# KiCad board ddr4-datacenter-tester.kicad_pcb (continued)
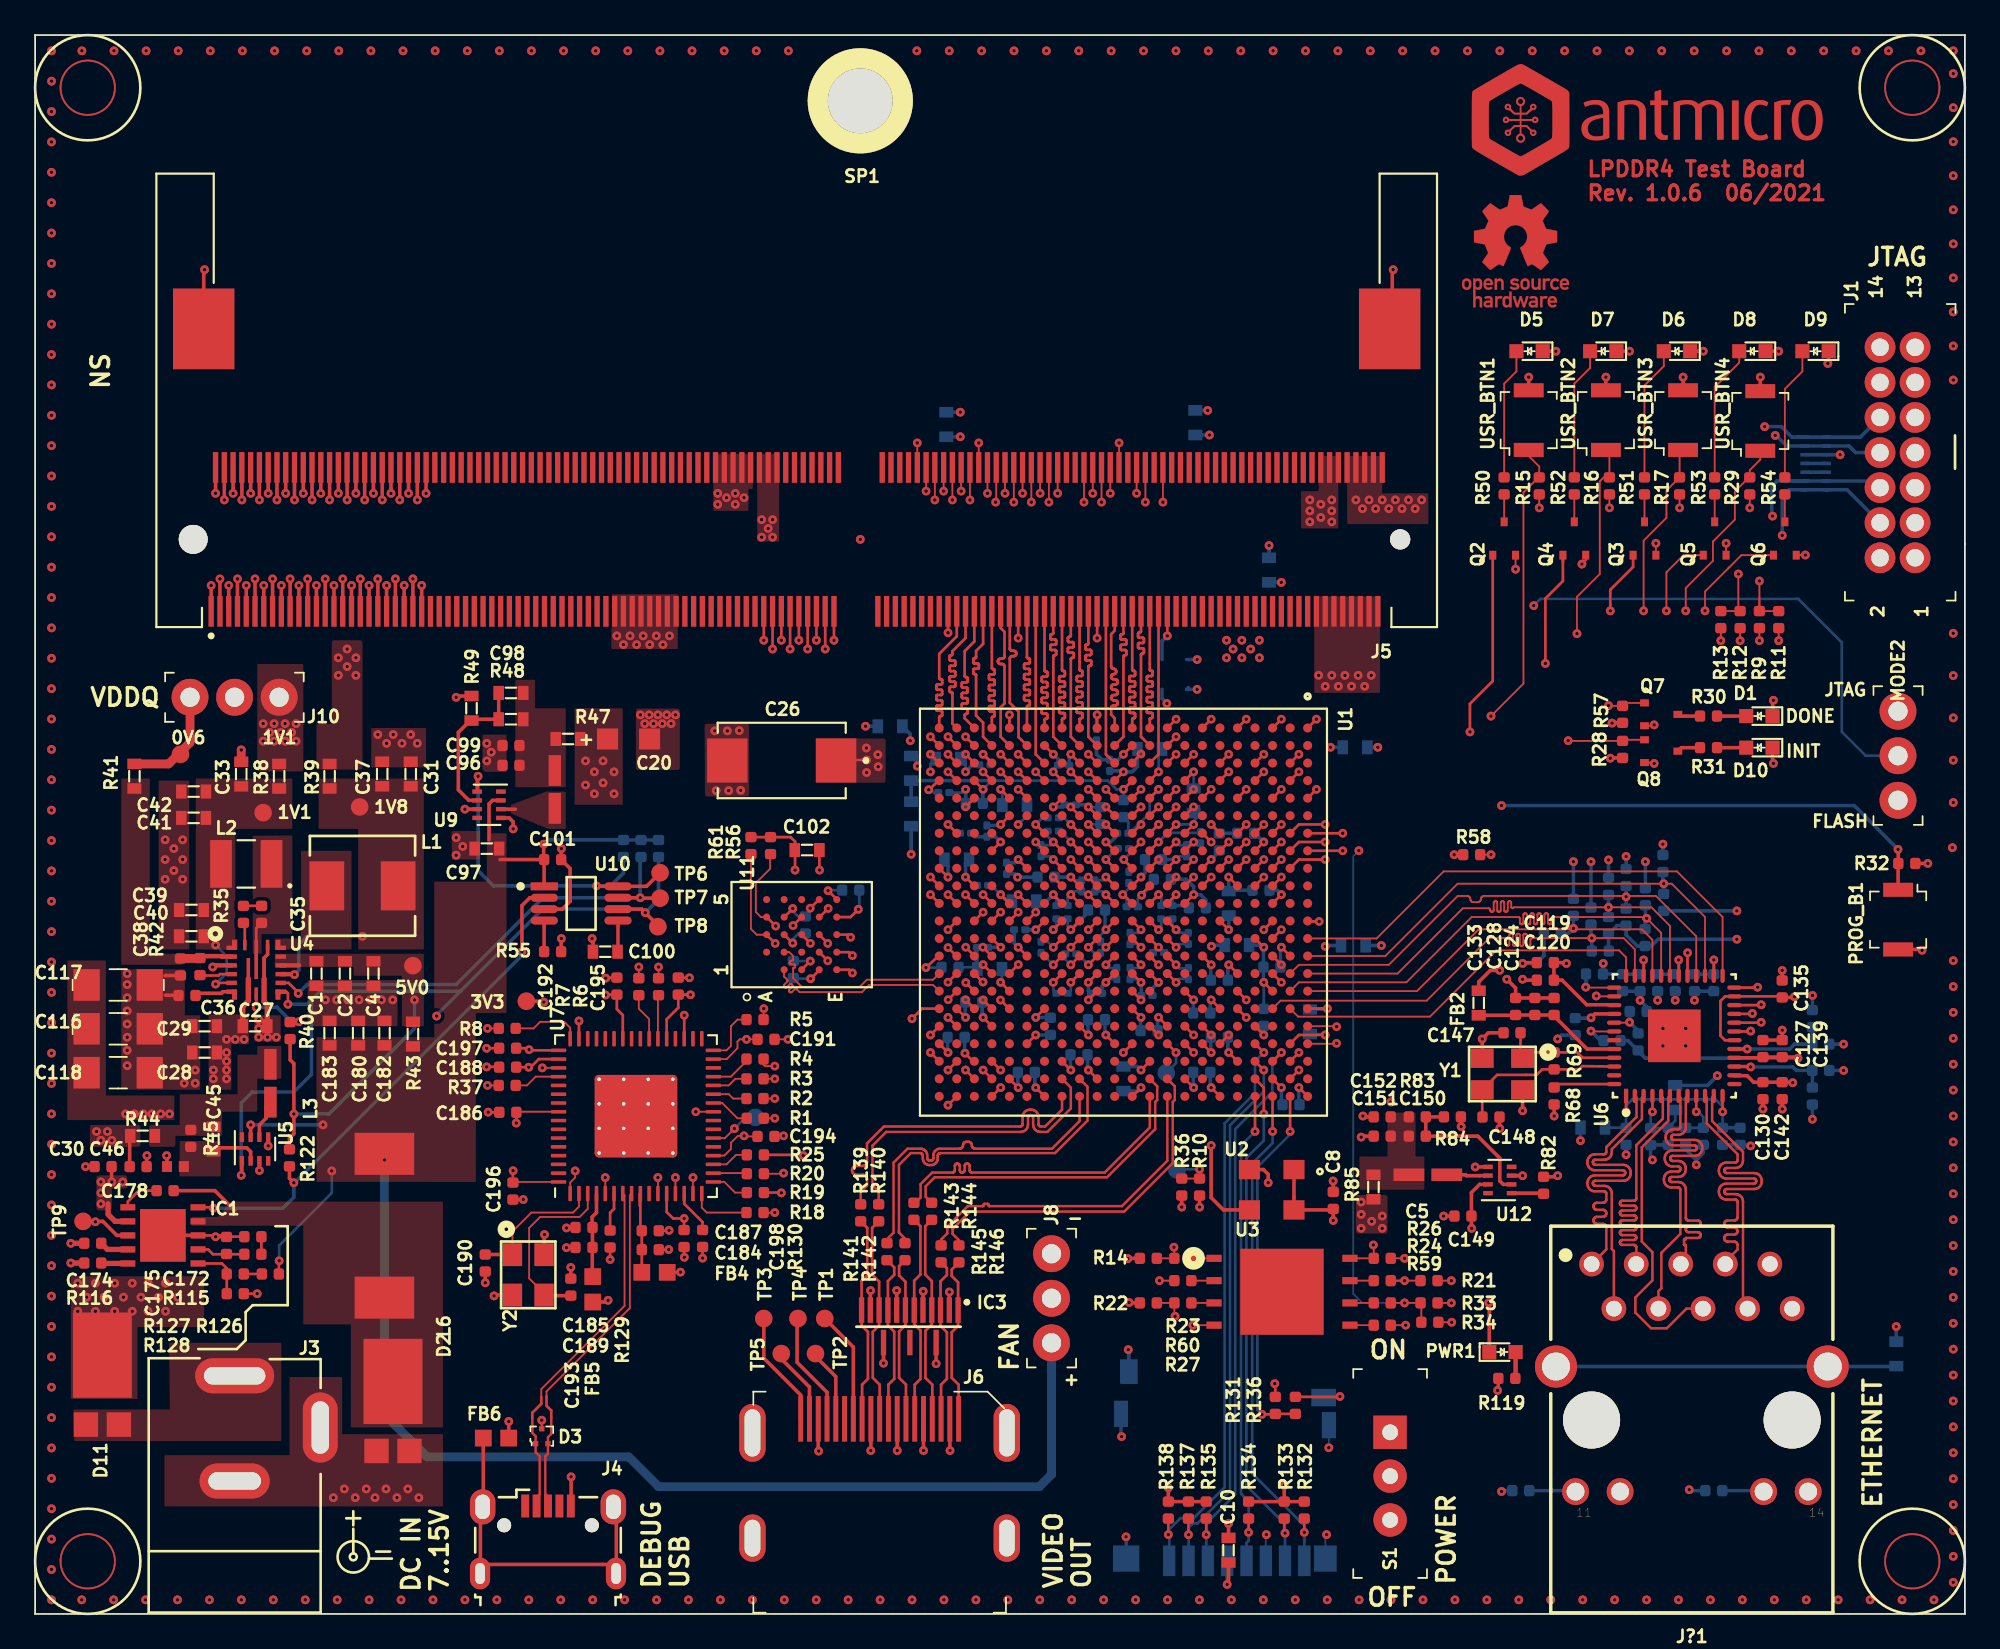
[diagram p0: board, top side]
## Routing (per net, layer and track width the routed paths; a pad name or vN(x,y) marks a point on that pad's centre or on a via; arc(x,y) is an arc through that point) (continued)
DQ08_A: length 8.9
  Top w0.15: U1.W2 54.04,50 54.04,50.81 53.64,51.21 53.64,53.5 53.63,53.51 53.63,53.53 53.62,53.55 53.61,53.56 53.59,53.57 53.57,53.57 53.54,53.58 53.52,53.58 53.51,53.59 53.49,53.61 53.48,53.62 53.48,53.64 53.48,53.66 53.48,53.8 53.48,53.81 53.48,53.83 53.49,53.85 53.51,53.86 53.52,53.87 53.54,53.87 53.56,53.88 53.72,53.88 53.73,53.88 53.75,53.88 53.77,53.89 53.78,53.91 53.79,53.92 53.79,53.94 53.8,53.96 53.8,54.1 53.79,54.11 53.79,54.13 53.78,54.15 53.77,54.16 53.75,54.17 53.73,54.17 53.72,54.18 53.64,54.18 53.64,54.18 53.56,54.18 53.54,54.18 53.52,54.19 53.51,54.2 53.49,54.21 53.48,54.23 53.48,54.24 53.48,54.26 53.48,54.4 53.48,54.42 53.48,54.43 53.49,54.45 53.51,54.46 53.52,54.47 53.54,54.48 53.57,54.48 53.59,54.49 53.61,54.5 53.62,54.51 53.63,54.53 53.63,54.54 53.64,54.56 53.64,54.89 54.04,55.29 J5.169
DQ09_A: length 8.9
  Top w0.15: U1.Y1 52.99,51.05 52.99,51.22 52.99,51.24 52.99,51.26 53,51.27 53.02,51.29 53.03,51.3 53.05,51.3 53.09,51.31 53.11,51.31 53.12,51.32 53.13,51.33 53.14,51.35 53.15,51.37 53.15,51.39 53.15,51.52 53.15,51.54 53.14,51.56 53.13,51.57 53.12,51.59 53.11,51.59 53.09,51.6 53.07,51.6 52.9,51.6 52.88,51.61 52.87,51.61 52.85,51.62 52.84,51.63 52.83,51.65 52.82,51.67 52.82,51.69 52.82,51.82 52.82,51.84 52.83,51.86 52.84,51.87 52.85,51.89 52.87,51.9 52.88,51.9 52.9,51.9 53.07,51.9 53.09,51.91 53.11,51.91 53.12,51.92 53.13,51.93 53.14,51.95 53.15,51.97 53.15,51.99 53.15,52.12 53.15,52.14 53.14,52.16 53.13,52.17 53.12,52.19 53.11,52.2 53.09,52.2 53.07,52.2 52.9,52.2 52.88,52.21 52.87,52.21 52.85,52.22 52.84,52.23 52.83,52.25 52.82,52.27 52.82,52.29 52.82,52.42 52.82,52.44 52.83,52.46 52.84,52.47 52.85,52.49 52.87,52.5 52.88,52.5 52.9,52.5 53.07,52.5 53.09,52.51 53.11,52.51 53.12,52.52 53.13,52.53 53.14,52.55 53.15,52.57 53.15,52.59 53.15,52.72 53.15,52.74 53.14,52.76 53.13,52.77 53.12,52.79 53.11,52.8 53.09,52.8 53.07,52.8 52.9,52.8 52.88,52.81 52.87,52.81 52.85,52.82 52.84,52.83 52.83,52.85 52.82,52.87 52.82,52.89 52.82,53.02 52.82,53.04 52.83,53.06 52.84,53.07 52.85,53.09 52.87,53.1 52.88,53.1 52.9,53.1 53.07,53.1 53.09,53.11 53.11,53.11 53.12,53.12 53.13,53.13 53.14,53.15 53.15,53.17 53.15,53.19 53.15,53.32 53.15,53.34 53.14,53.36 53.13,53.37 53.12,53.39 53.11,53.4 53.09,53.4 53.05,53.41 53.03,53.41 53.02,53.42 53,53.43 52.99,53.45 52.99,53.47 52.99,53.49 52.99,54.88 53.54,55.43 J5.167
DQ10_A: length 8.8
  Top w0.15: U1.AA1 52.29,50.75 52.29,52.46 52.28,52.48 52.28,52.5 52.27,52.52 52.25,52.53 52.24,52.54 52.22,52.54 52.18,52.55 52.17,52.55 52.15,52.56 52.14,52.58 52.13,52.59 52.12,52.61 52.12,52.63 52.12,52.76 52.12,52.78 52.13,52.8 52.14,52.82 52.15,52.83 52.17,52.84 52.18,52.84 52.2,52.85 52.37,52.85 52.39,52.85 52.41,52.85 52.42,52.86 52.43,52.88 52.44,52.89 52.45,52.91 52.45,52.93 52.45,53.06 52.45,53.08 52.44,53.1 52.43,53.12 52.42,53.13 52.41,53.14 52.39,53.14 52.37,53.15 52.2,53.15 52.18,53.15 52.17,53.15 52.15,53.16 52.14,53.18 52.13,53.19 52.12,53.21 52.12,53.23 52.12,53.36 52.12,53.38 52.13,53.4 52.14,53.42 52.15,53.43 52.17,53.44 52.18,53.44 52.2,53.45 52.37,53.45 52.39,53.45 52.41,53.45 52.42,53.46 52.43,53.48 52.44,53.49 52.45,53.51 52.45,53.53 52.45,53.66 52.45,53.68 52.44,53.7 52.43,53.72 52.42,53.73 52.41,53.74 52.39,53.74 52.37,53.75 52.2,53.75 52.18,53.75 52.17,53.75 52.15,53.76 52.14,53.78 52.13,53.79 52.12,53.81 52.12,53.83 52.12,53.96 52.12,53.98 52.13,54 52.14,54.02 52.15,54.03 52.17,54.04 52.18,54.04 52.2,54.05 52.37,54.05 52.39,54.05 52.41,54.05 52.42,54.06 52.43,54.08 52.44,54.09 52.45,54.11 52.45,54.13 52.45,54.26 52.45,54.28 52.44,54.3 52.43,54.32 52.42,54.33 52.41,54.34 52.39,54.34 52.37,54.35 52.2,54.35 52.18,54.35 52.17,54.35 52.15,54.36 52.14,54.38 52.13,54.39 52.12,54.41 52.12,54.43 52.12,54.56 52.12,54.58 52.13,54.6 52.14,54.62 52.15,54.63 52.17,54.64 52.18,54.64 52.22,54.65 52.24,54.65 52.25,54.66 52.27,54.68 52.28,54.69 52.28,54.71 52.29,54.73 52.29,54.88 53.04,55.63 J5.165
DQ11_A: length 8.8
  Top w0.15: U1.AB1 51.54,51.1 51.54,51.12 51.54,51.14 51.55,51.15 51.57,51.17 51.58,51.18 51.6,51.18 51.64,51.19 51.66,51.19 51.67,51.2 51.68,51.21 51.69,51.23 51.7,51.25 51.7,51.27 51.7,51.4 51.7,51.42 51.69,51.44 51.68,51.45 51.67,51.47 51.66,51.48 51.64,51.48 51.62,51.48 51.45,51.48 51.43,51.49 51.42,51.49 51.4,51.5 51.39,51.51 51.38,51.53 51.37,51.55 51.37,51.57 51.37,51.7 51.37,51.72 51.38,51.74 51.39,51.75 51.4,51.77 51.42,51.78 51.43,51.78 51.45,51.78 51.62,51.78 51.64,51.79 51.66,51.79 51.67,51.8 51.68,51.81 51.69,51.83 51.7,51.85 51.7,51.87 51.7,52 51.7,52.02 51.69,52.04 51.68,52.05 51.67,52.07 51.66,52.08 51.64,52.08 51.62,52.08 51.45,52.08 51.43,52.09 51.42,52.09 51.4,52.1 51.39,52.11 51.38,52.13 51.37,52.15 51.37,52.17 51.37,52.3 51.37,52.32 51.38,52.34 51.39,52.35 51.4,52.37 51.42,52.38 51.43,52.38 51.45,52.38 51.62,52.38 51.64,52.39 51.66,52.39 51.67,52.4 51.68,52.41 51.69,52.43 51.7,52.45 51.7,52.47 51.7,52.6 51.7,52.62 51.69,52.64 51.68,52.65 51.67,52.67 51.66,52.68 51.64,52.68 51.62,52.68 51.45,52.68 51.43,52.69 51.42,52.69 51.4,52.7 51.39,52.71 51.38,52.73 51.37,52.75 51.37,52.77 51.37,52.9 51.37,52.92 51.38,52.94 51.39,52.95 51.4,52.97 51.42,52.98 51.43,52.98 51.45,52.98 51.62,52.98 51.64,52.99 51.66,52.99 51.67,53 51.68,53.01 51.69,53.03 51.7,53.05 51.7,53.07 51.7,53.2 51.7,53.22 51.69,53.24 51.68,53.25 51.67,53.27 51.66,53.28 51.64,53.28 51.6,53.29 51.58,53.29 51.57,53.3 51.55,53.31 51.54,53.33 51.54,53.35 51.54,53.37 51.54,54.73 52.54,55.73 J5.163
DQ12_A: length 8.8
  Top w0.15: J5.185 58.04,55.93 58.03,55.91 58.03,55.89 58.02,55.88 58,55.86 57.99,55.85 57.97,55.85 57.93,55.84 57.92,55.84 57.9,55.83 57.89,55.82 57.88,55.8 57.87,55.78 57.87,55.76 57.87,55.63 57.87,55.61 57.88,55.59 57.89,55.58 57.9,55.56 57.92,55.55 57.93,55.55 57.95,55.55 58.12,55.55 58.14,55.54 58.16,55.54 58.17,55.53 58.18,55.52 58.19,55.5 58.2,55.48 58.2,55.46 58.2,55.33 58.2,55.31 58.19,55.29 58.18,55.28 58.17,55.26 58.16,55.25 58.14,55.25 58.12,55.25 57.95,55.25 57.93,55.24 57.92,55.24 57.9,55.23 57.89,55.22 57.88,55.2 57.87,55.18 57.87,55.16 57.87,55.03 57.87,55.01 57.88,54.99 57.89,54.98 57.9,54.96 57.92,54.95 57.93,54.95 57.95,54.95 58.12,54.95 58.14,54.94 58.16,54.94 58.17,54.93 58.18,54.92 58.19,54.9 58.2,54.88 58.2,54.86 58.2,54.73 58.2,54.71 58.19,54.69 58.18,54.68 58.17,54.66 58.16,54.65 58.14,54.65 58.1,54.64 58.08,54.64 58.07,54.63 58.05,54.62 58.04,54.6 58.04,54.58 58.04,54.56 58.04,50 U1.R2
DQ13_A: length 8.9
  Top w0.15: U1.T1 57.54,50.94 57.54,50.96 57.54,50.98 57.55,50.99 57.57,51 57.58,51.01 57.6,51.02 57.64,51.02 57.65,51.03 57.67,51.04 57.68,51.05 57.69,51.07 57.7,51.08 57.7,51.1 57.7,51.24 57.7,51.26 57.69,51.28 57.68,51.29 57.67,51.3 57.65,51.31 57.64,51.32 57.62,51.32 57.54,51.32 57.54,51.32 57.45,51.32 57.44,51.33 57.42,51.33 57.4,51.34 57.39,51.35 57.38,51.37 57.38,51.39 57.37,51.4 57.37,51.54 57.38,51.56 57.38,51.58 57.39,51.59 57.4,51.61 57.42,51.62 57.44,51.62 57.45,51.62 57.62,51.62 57.64,51.63 57.65,51.63 57.67,51.64 57.68,51.65 57.69,51.67 57.7,51.69 57.7,51.7 57.7,51.84 57.7,51.86 57.69,51.88 57.68,51.89 57.67,51.91 57.65,51.92 57.64,51.92 57.62,51.92 57.45,51.92 57.44,51.93 57.42,51.93 57.4,51.94 57.39,51.95 57.38,51.97 57.38,51.99 57.37,52 57.37,52.14 57.38,52.16 57.38,52.18 57.39,52.19 57.4,52.21 57.42,52.22 57.44,52.22 57.45,52.22 57.62,52.22 57.64,52.23 57.65,52.23 57.67,52.24 57.68,52.25 57.69,52.27 57.7,52.29 57.7,52.3 57.7,52.44 57.7,52.46 57.69,52.48 57.68,52.49 57.67,52.51 57.65,52.52 57.64,52.52 57.62,52.52 57.45,52.52 57.44,52.53 57.42,52.53 57.4,52.54 57.39,52.55 57.38,52.57 57.38,52.59 57.37,52.6 57.37,52.74 57.38,52.76 57.38,52.78 57.39,52.79 57.4,52.81 57.42,52.82 57.44,52.82 57.45,52.82 57.62,52.82 57.64,52.83 57.65,52.83 57.67,52.84 57.68,52.85 57.69,52.87 57.7,52.89 57.7,52.9 57.7,53.04 57.7,53.06 57.69,53.08 57.68,53.09 57.67,53.11 57.65,53.12 57.64,53.12 57.62,53.12 57.45,53.12 57.44,53.13 57.42,53.13 57.4,53.14 57.39,53.15 57.38,53.17 57.38,53.19 57.37,53.2 57.37,53.34 57.38,53.36 57.38,53.38 57.39,53.39 57.4,53.41 57.42,53.42 57.44,53.42 57.45,53.42 57.62,53.42 57.64,53.43 57.65,53.43 57.67,53.44 57.68,53.45 57.69,53.47 57.7,53.49 57.7,53.5 57.7,53.64 57.7,53.66 57.69,53.68 57.68,53.69 57.67,53.71 57.65,53.72 57.64,53.72 57.6,53.73 57.58,53.73 57.57,53.74 57.55,53.75 57.54,53.77 57.54,53.79 57.54,53.8 J5.183
DQ14_A: length 8.9
  Top w0.15: U1.T3 57.04,49 J5.181
DQ15_A: length 8.9
  Top w0.15: U1.U1 56.54,51.69 56.54,51.71 56.54,51.73 56.55,51.74 56.57,51.75 56.58,51.76 56.6,51.77 56.64,51.77 56.65,51.78 56.67,51.79 56.68,51.8 56.69,51.82 56.7,51.83 56.7,51.85 56.7,51.99 56.7,52.01 56.69,52.03 56.68,52.04 56.67,52.05 56.65,52.06 56.64,52.07 56.62,52.07 56.54,52.07 56.54,52.07 56.45,52.07 56.44,52.08 56.42,52.08 56.4,52.09 56.39,52.1 56.38,52.12 56.38,52.14 56.37,52.15 56.37,52.29 56.38,52.31 56.38,52.33 56.39,52.34 56.4,52.36 56.42,52.37 56.44,52.37 56.45,52.37 56.62,52.37 56.64,52.38 56.65,52.38 56.67,52.39 56.68,52.4 56.69,52.42 56.7,52.44 56.7,52.45 56.7,52.59 56.7,52.61 56.69,52.63 56.68,52.64 56.67,52.66 56.65,52.67 56.64,52.67 56.62,52.67 56.45,52.67 56.44,52.68 56.42,52.68 56.4,52.69 56.39,52.7 56.38,52.72 56.38,52.74 56.37,52.75 56.37,52.89 56.38,52.91 56.38,52.93 56.39,52.94 56.4,52.96 56.42,52.97 56.44,52.97 56.45,52.97 56.62,52.97 56.64,52.98 56.65,52.98 56.67,52.99 56.68,53 56.69,53.02 56.7,53.04 56.7,53.05 56.7,53.19 56.7,53.21 56.69,53.23 56.68,53.24 56.67,53.26 56.65,53.27 56.64,53.27 56.62,53.27 56.45,53.27 56.44,53.28 56.42,53.28 56.4,53.29 56.39,53.3 56.38,53.32 56.38,53.34 56.37,53.35 56.37,53.49 56.38,53.51 56.38,53.53 56.39,53.54 56.4,53.56 56.42,53.57 56.44,53.57 56.45,53.57 56.62,53.57 56.64,53.58 56.65,53.58 56.67,53.59 56.68,53.6 56.69,53.62 56.7,53.64 56.7,53.65 56.7,53.79 56.7,53.81 56.69,53.83 56.68,53.84 56.67,53.86 56.65,53.87 56.64,53.87 56.62,53.87 56.45,53.87 56.44,53.88 56.42,53.88 56.4,53.89 56.39,53.9 56.38,53.92 56.38,53.94 56.37,53.95 56.37,54.09 56.38,54.11 56.38,54.13 56.39,54.14 56.4,54.16 56.42,54.17 56.44,54.17 56.45,54.17 56.62,54.17 56.64,54.18 56.65,54.18 56.67,54.19 56.68,54.2 56.69,54.22 56.7,54.24 56.7,54.25 56.7,54.39 56.7,54.41 56.69,54.43 56.68,54.44 56.67,54.46 56.65,54.47 56.64,54.47 56.6,54.48 56.58,54.48 56.57,54.49 56.55,54.5 56.54,54.52 56.54,54.54 56.54,54.55 J5.179
DQ_S0_CA: length 8.6
  Top w0.15: U1.M1 61.54,51.06 61.34,51.26 61.34,51.63 61.34,51.66 61.35,51.7 61.37,51.72 61.39,51.75 61.42,51.77 61.45,51.78 61.49,51.78 61.56,51.78 61.59,51.78 61.63,51.79 61.65,51.81 61.68,51.84 61.7,51.86 61.71,51.9 61.71,51.93 61.71,51.96 61.7,52 61.68,52.02 61.65,52.05 61.63,52.07 61.59,52.08 61.56,52.08 61.49,52.08 61.45,52.08 61.42,52.09 61.39,52.11 61.37,52.14 61.35,52.16 61.34,52.2 61.34,52.23 61.34,52.26 61.35,52.3 61.37,52.32 61.39,52.35 61.42,52.37 61.45,52.38 61.49,52.38 61.56,52.38 61.59,52.38 61.63,52.39 61.65,52.41 61.68,52.44 61.7,52.46 61.71,52.5 61.71,52.53 61.71,52.56 61.7,52.6 61.68,52.62 61.65,52.65 61.63,52.67 61.59,52.68 61.56,52.68 61.49,52.68 61.45,52.68 61.42,52.69 61.39,52.71 61.37,52.74 61.35,52.76 61.34,52.8 61.34,52.83 61.34,52.86 61.35,52.9 61.37,52.92 61.39,52.95 61.42,52.97 61.45,52.98 61.49,52.98 61.56,52.98 61.59,52.98 61.63,52.99 61.65,53.01 61.68,53.04 61.7,53.06 61.71,53.1 61.71,53.13 61.71,53.16 61.7,53.2 61.68,53.22 61.65,53.25 61.63,53.27 61.59,53.28 61.56,53.28 61.49,53.28 61.45,53.28 61.42,53.29 61.39,53.31 61.37,53.34 61.35,53.36 61.34,53.4 61.34,53.43 61.34,53.46 61.35,53.49 61.37,53.52 61.39,53.54 61.42,53.56 61.45,53.57 61.51,53.58 61.54,53.59 61.57,53.6 61.59,53.63 61.61,53.65 61.62,53.68 61.62,53.72 61.62,53.73 61.62,53.76 61.61,53.79 61.59,53.82 61.57,53.84 61.54,53.86 61.51,53.87 61.45,53.88 61.42,53.89 61.39,53.9 61.37,53.93 61.35,53.95 61.34,53.98 61.34,54.02 61.34,55.85 61.54,56.05 J5.199
DQ_S0_TA: length 8.9
  Top w0.15: 62.06,57.13 J5.201 62.04,55.93 62.03,55.91 62.03,55.89 62.02,55.88 62,55.86 61.99,55.85 61.97,55.85 61.93,55.84 61.92,55.84 61.9,55.83 61.89,55.82 61.88,55.8 61.87,55.78 61.87,55.76 61.87,55.63 61.87,55.61 61.88,55.59 61.89,55.58 61.9,55.56 61.92,55.55 61.93,55.55 61.95,55.55 62.12,55.55 62.14,55.54 62.16,55.54 62.17,55.53 62.18,55.52 62.19,55.5 62.2,55.48 62.2,55.46 62.2,55.33 62.2,55.31 62.19,55.29 62.18,55.28 62.17,55.26 62.16,55.25 62.14,55.25 62.12,55.25 61.95,55.25 61.93,55.24 61.92,55.24 61.9,55.23 61.89,55.22 61.88,55.2 61.87,55.18 61.87,55.16 61.87,55.03 61.87,55.01 61.88,54.99 61.89,54.98 61.9,54.96 61.92,54.95 61.93,54.95 61.95,54.95 62.12,54.95 62.14,54.94 62.16,54.94 62.17,54.93 62.18,54.92 62.19,54.9 62.2,54.88 62.2,54.86 62.2,54.73 62.2,54.71 62.19,54.69 62.18,54.68 62.17,54.66 62.16,54.65 62.14,54.65 62.1,54.64 62.08,54.64 62.07,54.63 62.05,54.62 62.04,54.6 62.04,54.58 62.04,54.56 62.04,50 U1.M2
DQ_S1_CA: length 8.5
  Top w0.15: J5.173 55.04,56.2 55.26,55.98 55.26,54.6 55.25,54.57 55.24,54.53 55.22,54.51 55.2,54.48 55.17,54.46 55.14,54.45 55.11,54.45 55.03,54.45 55,54.45 54.97,54.44 54.94,54.42 54.91,54.39 54.9,54.37 54.89,54.33 54.88,54.3 54.89,54.27 54.9,54.23 54.91,54.21 54.94,54.18 54.97,54.16 55,54.15 55.03,54.15 55.11,54.15 55.14,54.15 55.17,54.14 55.2,54.12 55.22,54.09 55.24,54.07 55.25,54.03 55.26,54 55.26,51.9 55.04,51.68 55.04,50 U1.V2
DQ_S1_TA: length 8.6
  Top w0.15: J5.175 55.56,57.13 55.56,55.05 55.56,55.02 55.57,54.98 55.59,54.96 55.61,54.93 55.64,54.91 55.67,54.9 55.71,54.9 55.78,54.9 55.81,54.9 55.85,54.89 55.87,54.87 55.9,54.84 55.92,54.82 55.93,54.78 55.93,54.75 55.93,54.72 55.92,54.68 55.9,54.66 55.87,54.63 55.85,54.61 55.81,54.6 55.78,54.6 55.71,54.6 55.67,54.6 55.64,54.59 55.61,54.57 55.59,54.54 55.57,54.52 55.56,54.48 55.56,54.45 55.56,51.94 56.06,51.44 56.06,49.98 U1.U2
EMCCLK: length 2.1
  Top w0.15: U1.J19 65.04,32
  Bottom w0.15: 65.04,32.01 65.04,31.4 EMCCLK1.1
  vias: v3(65.03,32)
ETH_INT_N: length 20
  Top w0.1: v3(88.99,35.23) 89.01,35.2 U6.38
  Top w0.15: U1.C15 v4(71.04,36)
  In2.Cu w0.1: v3(88.99,35.23) 80.11,35.23 79.31,36.03 71.06,36.03 v4(71.04,36)
ETH_MDC: length 22.1
  Top w0.1: U1.B17 71.99,34.05 79.51,34.05 83.29,37.83 90.29,37.83 90.69,37.43 U6.36
ETH_MDIO: length 21
  Top w0.1: U6.37 88.41,35.7 v3(88.39,35.73)
  Top w0.15: U1.C14 v4(71.04,37)
  In2.Cu w0.1: v3(88.39,35.73) 81.11,35.73 79.81,37.03 71.06,37.03 v4(71.04,37)
  Bottom w0.2: v3(88.39,35.73) 88.39,35.98 88.4,35.99 R78.1
ETH_REF_CLK: length 28.8
  Top w0.1: v3(90.89,33.73) 90.69,33.73 90.66,33.7 U6.41
  Top w0.15: U1.C12 v4(70.04,39)
  In2.Cu w0.1: v3(90.89,33.73) 90.09,34.53 79.05,34.53 78.25,35.33 69.94,35.33 69.39,35.88 69.39,38.35 v4(70.04,39)
  Bottom w0.2: R94.1 90.89,34.33 v3(90.89,33.73) 91.39,33.23 91.39,33.09
ETH_RSTN: length 23.4
  Top w0.1: v3(88.69,33.23) 88.71,33.2 U6.42
  Top w0.15: U1.E16 v4(69.04,35)
  In2.Cu w0.1: v3(88.69,33.23) 78.71,33.23 76.94,35 v4(69.04,35)
  Bottom w0.2: v3(88.69,33.23) 89.23,32.68 R79.1
ETH_RX_CLK: length 29.9
  Top w0.1: U6.35 91.19,37.88 90.54,38.53 v3(88.73,38.53) 85.33,38.53 85.31,38.52 85.29,38.52 85.27,38.5 85.25,38.49 85.24,38.47 85.23,38.45 85.23,38.43 85.23,38.18 85.23,38.15 85.22,38.13 85.21,38.11 85.19,38.1 85.18,38.09 85.15,38.08 85.13,38.08 85.11,38.08 85.09,38.09 85.07,38.1 85.05,38.11 85.04,38.13 85.03,38.15 85.03,38.18 85.03,38.68 85.03,38.7 85.02,38.72 85.01,38.74 84.99,38.75 84.98,38.77 84.95,38.77 84.93,38.78 84.91,38.77 84.89,38.77 84.87,38.75 84.85,38.74 84.84,38.72 84.83,38.7 84.83,38.68 84.83,38.18 84.83,38.15 84.82,38.13 84.81,38.11 84.79,38.1 84.78,38.09 84.75,38.08 84.73,38.08 84.71,38.08 84.69,38.09 84.67,38.1 84.65,38.11 84.64,38.13 84.63,38.15 84.63,38.18 84.63,38.68 84.63,38.7 84.62,38.72 84.61,38.74 84.59,38.75 84.58,38.77 84.55,38.77 84.53,38.78 84.51,38.77 84.49,38.77 84.47,38.75 84.45,38.74 84.44,38.72 84.43,38.7 84.43,38.68 84.43,38.18 84.43,38.15 84.42,38.13 84.41,38.11 84.39,38.1 84.38,38.09 84.35,38.08 84.33,38.08 84.31,38.08 84.29,38.09 84.27,38.1 84.25,38.11 84.24,38.13 84.23,38.15 84.23,38.18 84.23,38.68 84.23,38.7 84.22,38.72 84.21,38.74 84.19,38.75 84.18,38.77 84.15,38.77 84.13,38.78 84.11,38.77 84.09,38.77 84.07,38.75 84.05,38.74 84.04,38.72 84.03,38.7 84.03,38.68 84.03,38.18 84.03,38.15 84.02,38.13 84.01,38.11 83.99,38.1 83.98,38.09 83.95,38.08 83.93,38.08 83.91,38.08 83.89,38.09 83.87,38.1 83.85,38.11 83.84,38.13 83.83,38.15 83.83,38.18 83.83,38.43 83.83,38.45 83.82,38.47 83.81,38.49 83.79,38.5 83.78,38.52 83.75,38.52 83.73,38.53 82.89,38.53 79.32,34.96 70.99,34.96 U1.C17
  Bottom w0.2: v3(88.73,38.53) 88.73,38.52 R93.1 ; R75.1 88.69,38.58
ETH_RX_DV: length 25.5
  Top w0.1: U6.33 92.19,38.43 91.59,39.03 82.29,39.03 78.76,35.5 U1.A16 ; v3(87.69,39.08) 87.19,39.08 87.14,39.03
  Bottom w0.2: R92.1 87.4,38.79 v3(87.69,39.08) R74.1
ETH_RXD0: length 32.2
  Top w0.1: 73.6,36 72.04,36 U1.B16 ; 73.6,36 78.16,36 81.89,39.73 84.53,39.73 84.55,39.72 84.58,39.72 84.59,39.7 84.61,39.69 84.62,39.67 84.63,39.65 84.63,39.63 84.63,39.41 84.63,39.39 84.64,39.36 84.65,39.35 84.67,39.33 84.69,39.32 84.71,39.31 84.73,39.31 84.75,39.31 84.78,39.32 84.79,39.33 84.81,39.35 84.82,39.36 84.83,39.39 84.83,39.41 84.83,39.84 84.83,39.87 84.84,39.89 84.85,39.91 84.87,39.92 84.89,39.93 84.91,39.94 84.93,39.94 84.95,39.94 84.98,39.93 84.99,39.92 85.01,39.91 85.02,39.89 85.03,39.87 85.03,39.84 85.03,39.41 85.03,39.39 85.04,39.36 85.05,39.35 85.07,39.33 85.09,39.32 85.11,39.31 85.13,39.31 85.15,39.31 85.18,39.32 85.19,39.33 85.21,39.35 85.22,39.36 85.23,39.39 85.23,39.41 85.23,39.84 85.23,39.87 85.24,39.89 85.25,39.91 85.27,39.92 85.29,39.93 85.31,39.94 85.33,39.94 85.35,39.94 85.38,39.93 85.39,39.92 85.41,39.91 85.42,39.89 85.43,39.87 85.43,39.84 85.43,39.41 85.43,39.39 85.44,39.36 85.45,39.35 85.47,39.33 85.49,39.32 85.51,39.31 85.53,39.31 85.55,39.31 85.58,39.32 85.59,39.33 85.61,39.35 85.62,39.36 85.63,39.39 85.63,39.41 85.63,39.84 85.63,39.87 85.64,39.89 85.65,39.91 85.67,39.92 85.69,39.93 85.71,39.94 85.73,39.94 85.75,39.94 85.78,39.93 85.79,39.92 85.81,39.91 85.82,39.89 85.83,39.87 85.83,39.84 85.83,39.41 85.83,39.39 85.84,39.36 85.85,39.35 85.87,39.33 85.89,39.32 85.91,39.31 85.93,39.31 85.95,39.31 85.98,39.32 85.99,39.33 86.01,39.35 86.02,39.36 86.03,39.39 86.03,39.41 86.03,39.84 86.03,39.87 86.04,39.89 86.05,39.91 86.07,39.92 86.09,39.93 86.11,39.94 86.13,39.94 86.15,39.94 86.18,39.93 86.19,39.92 86.21,39.91 86.22,39.89 86.23,39.87 86.23,39.84 86.23,39.41 86.23,39.39 86.24,39.36 86.25,39.35 86.27,39.33 86.29,39.32 86.31,39.31 86.33,39.31 86.35,39.31 86.38,39.32 86.39,39.33 86.41,39.35 86.42,39.36 86.43,39.39 86.43,39.41 86.43,39.63 86.43,39.65 86.44,39.67 86.45,39.69 86.47,39.7 86.49,39.72 86.51,39.72 86.53,39.73 91.79,39.73 v3(91.86,39.65) 92.69,38.83 U6.32 ; 73.6,36 73.54,36
  Bottom w0.2: v3(91.86,39.65) 91.77,39.56 R77.1 ; R70.1 91.79,39.73
ETH_RXD1: length 29.8
  Top w0.1: U6.31 93.19,39.23 92.13,40.28 84.29,40.28 84.24,40.23 84.22,40.23 84.2,40.24 84.18,40.25 84.16,40.26 84.15,40.28 84.14,40.3 84.14,40.33 84.14,40.53 84.14,40.55 84.13,40.57 84.12,40.59 84.1,40.61 84.08,40.62 84.06,40.63 84.04,40.63 84.02,40.63 84,40.62 83.98,40.61 83.96,40.59 83.95,40.57 83.94,40.55 83.94,40.53 83.94,40.12 83.94,40.1 83.93,40.08 83.92,40.06 83.9,40.04 83.88,40.03 83.86,40.02 83.84,40.02 83.82,40.02 83.8,40.03 83.78,40.04 83.76,40.06 83.75,40.08 83.74,40.1 83.74,40.12 83.74,40.53 83.74,40.55 83.73,40.57 83.72,40.59 83.7,40.61 83.68,40.62 83.66,40.63 83.64,40.63 83.62,40.63 83.6,40.62 83.58,40.61 83.56,40.59 83.55,40.57 83.54,40.55 83.54,40.53 83.54,40.12 83.54,40.1 83.53,40.08 83.52,40.06 83.5,40.04 83.48,40.03 83.46,40.02 83.44,40.02 83.42,40.02 83.4,40.03 83.38,40.04 83.36,40.06 83.35,40.08 83.34,40.1 83.34,40.12 83.34,40.53 83.34,40.55 83.33,40.57 83.32,40.59 83.3,40.61 83.28,40.62 83.26,40.63 83.24,40.63 83.22,40.63 83.2,40.62 83.18,40.61 83.16,40.59 83.15,40.57 83.14,40.55 83.14,40.53 83.14,40.12 83.14,40.1 83.13,40.08 83.12,40.06 83.1,40.04 83.08,40.03 83.06,40.02 83.04,40.02 83.02,40.02 83,40.03 82.98,40.04 82.96,40.06 82.95,40.08 82.94,40.1 82.94,40.12 82.94,40.13 82.94,40.15 82.93,40.17 82.92,40.19 82.9,40.2 82.88,40.22 82.86,40.22 82.84,40.23 81.39,40.23 77.66,36.5 U1.A15
  Bottom w0.2: R71.1 v3(89.69,40.28) R89.1
ETH_RXD2: length 29.9
  Top w0.1: U1.B15 72.04,37 77.16,37 81.09,40.93 81.63,40.93 81.67,40.92 81.71,40.91 81.74,40.89 81.77,40.86 81.79,40.83 81.8,40.79 81.81,40.71 81.83,40.67 81.85,40.64 81.88,40.61 81.91,40.59 81.95,40.58 81.99,40.57 82.23,40.57 82.27,40.58 82.31,40.59 82.34,40.61 82.37,40.64 82.39,40.67 82.4,40.71 82.41,40.79 82.43,40.83 82.45,40.86 82.48,40.89 82.51,40.91 82.55,40.92 82.59,40.93 92.39,40.93 94.69,38.63 U6.28
  Bottom w0.2: R90.1 v3(90.69,40.88) R72.1
ETH_RXD3: length 29.7
  Top w0.1: U6.27 95.19,39.73 93.29,41.63 v3(92.83,41.63) 81.09,41.63 76.96,37.5 U1.A14
  Bottom w0.2: v3(92.83,41.63) 92.84,41.62 R91.1 ; R73.1 92.79,41.68
ETH_TX_CLK: length 34.2
  Top w0.15: U1.E17 v4(69.04,34) ; U6.24 98.16,35.7 v3(98.19,35.73)
  In2.Cu w0.1: v4(69.04,34) 76.34,34 78.06,32.28 78.59,32.28 78.6,32.28 78.61,32.28 78.62,32.27 78.63,32.26 78.63,32.25 78.64,32.24 78.64,32.22 78.64,32.21 78.65,32.2 78.66,32.19 78.66,32.18 78.68,32.18 78.69,32.18 78.79,32.18 78.8,32.18 78.81,32.18 78.82,32.19 78.83,32.2 78.83,32.21 78.84,32.22 78.84,32.23 78.84,32.28 78.89,32.28 78.89,32.59 78.89,32.61 78.9,32.63 78.91,32.65 78.92,32.67 78.94,32.68 78.96,32.68 78.99,32.69 79.01,32.68 79.03,32.68 79.05,32.67 79.06,32.65 79.08,32.63 79.08,32.61 79.09,32.59 79.09,32.38 79.09,32.36 79.1,32.34 79.11,32.32 79.12,32.3 79.14,32.29 79.16,32.28 79.19,32.28 90.74,32.28 92.84,34.38 95.09,34.38 96.39,35.68 98.14,35.68 v3(98.19,35.73)
ETH_TX_EN: length 29.7
  Top w0.1: U6.25 96.19,39.73 93.59,42.33 80.29,42.33 76.46,38.5 U1.A13
ETH_TXD0: length 34
  Top w0.15: U1.B21 v4(72.04,31) ; U6.19 97.76,33.2 v3(97.79,33.23)
  In2.Cu w0.1: v4(72.04,31) 73.01,31 74.29,29.73 88.34,29.73 88.36,29.72 88.38,29.72 88.4,29.7 88.42,29.69 88.43,29.67 88.44,29.65 88.44,29.63 88.44,28.97 88.44,28.95 88.45,28.93 88.46,28.91 88.48,28.89 88.5,28.88 88.52,28.87 88.54,28.87 88.56,28.87 88.58,28.88 88.6,28.89 88.62,28.91 88.63,28.93 88.64,28.95 88.64,28.97 88.64,29.93 88.64,29.95 88.65,29.98 88.66,29.99 88.68,30.01 88.7,30.02 88.72,30.03 88.74,30.03 88.76,30.03 88.78,30.02 88.8,30.01 88.82,29.99 88.83,29.98 88.84,29.95 88.84,29.93 88.84,28.97 88.84,28.95 88.85,28.93 88.86,28.91 88.88,28.89 88.9,28.88 88.92,28.87 88.94,28.87 88.96,28.87 88.98,28.88 89,28.89 89.02,28.91 89.03,28.93 89.04,28.95 89.04,28.97 89.04,29.93 89.04,29.95 89.05,29.98 89.06,29.99 89.08,30.01 89.1,30.02 89.12,30.03 89.14,30.03 89.16,30.03 89.18,30.02 89.2,30.01 89.22,29.99 89.23,29.98 89.24,29.95 89.24,29.93 89.24,29.83 89.24,29.8 89.25,29.78 89.26,29.76 89.28,29.75 89.3,29.74 89.32,29.73 89.34,29.73 94.09,29.73 96.39,32.03 96.39,32.73 96.89,33.23 v3(97.79,33.23)
ETH_TXD1: length 34
  Top w0.15: U1.B20 v4(72.04,32) ; v3(98.39,33.73) 98.36,33.7 U6.20
  In2.Cu w0.1: v4(72.04,32) 73.44,32 75.01,30.43 90.43,30.43 90.45,30.42 90.48,30.42 90.49,30.4 90.51,30.39 90.52,30.37 90.53,30.35 90.53,30.33 90.53,30.08 90.53,30.06 90.54,30.03 90.55,30.02 90.57,30 90.59,29.99 90.61,29.98 90.63,29.98 90.65,29.98 90.68,29.99 90.69,30 90.71,30.02 90.72,30.03 90.73,30.06 90.73,30.08 90.73,30.67 90.73,30.7 90.74,30.72 90.75,30.74 90.77,30.75 90.79,30.76 90.81,30.77 90.83,30.77 90.85,30.77 90.88,30.76 90.89,30.75 90.91,30.74 90.92,30.72 90.93,30.7 90.93,30.67 90.93,30.08 90.93,30.06 90.94,30.03 90.95,30.02 90.97,30 90.99,29.99 91.01,29.98 91.03,29.98 91.05,29.98 91.08,29.99 91.09,30 91.11,30.02 91.12,30.03 91.13,30.06 91.13,30.08 91.13,30.67 91.13,30.7 91.14,30.72 91.15,30.74 91.17,30.75 91.19,30.76 91.21,30.77 91.23,30.77 91.25,30.77 91.28,30.76 91.29,30.75 91.31,30.74 91.32,30.72 91.33,30.7 91.33,30.67 91.33,30.53 91.33,30.5 91.34,30.48 91.35,30.46 91.37,30.45 91.39,30.44 91.41,30.43 91.43,30.43 94.29,30.43 95.99,32.13 95.99,33.23 96.49,33.73 v3(98.39,33.73)
ETH_TXD2: length 34
  Top w0.1: U1.A19 74.16,32.5 v4(74.19,32.53)
  Top w0.15: U6.21 97.86,34.2 v3(97.89,34.23)
  In2.Cu w0.1: v4(74.19,32.53) 74.91,32.53 76.41,31.03 80.84,31.03 80.86,31.02 80.88,31.02 80.9,31 80.92,30.99 80.93,30.97 80.94,30.95 80.94,30.93 80.94,30.78 80.94,30.76 80.95,30.73 80.96,30.72 80.98,30.7 81,30.69 81.02,30.68 81.04,30.68 81.06,30.68 81.08,30.69 81.1,30.7 81.12,30.72 81.13,30.73 81.14,30.76 81.14,30.78 81.14,31.37 81.14,31.4 81.15,31.42 81.16,31.44 81.18,31.45 81.2,31.46 81.22,31.47 81.24,31.47 81.26,31.47 81.28,31.46 81.3,31.45 81.32,31.44 81.33,31.42 81.34,31.4 81.34,31.37 81.34,30.78 81.34,30.76 81.35,30.73 81.36,30.72 81.38,30.7 81.4,30.69 81.42,30.68 81.44,30.68 81.46,30.68 81.48,30.69 81.5,30.7 81.52,30.72 81.53,30.73 81.54,30.76 81.54,30.78 81.54,31.37 81.54,31.4 81.55,31.42 81.56,31.44 81.58,31.45 81.6,31.46 81.62,31.47 81.64,31.47 81.66,31.47 81.68,31.46 81.7,31.45 81.72,31.44 81.73,31.42 81.74,31.4 81.74,31.37 81.74,30.78 81.74,30.76 81.75,30.73 81.76,30.72 81.78,30.7 81.8,30.69 81.82,30.68 81.84,30.68 81.86,30.68 81.88,30.69 81.9,30.7 81.92,30.72 81.93,30.73 81.94,30.76 81.94,30.78 81.94,31.37 81.94,31.4 81.95,31.42 81.96,31.44 81.98,31.45 82,31.46 82.02,31.47 82.04,31.47 82.06,31.47 82.08,31.46 82.1,31.45 82.12,31.44 82.13,31.42 82.14,31.4 82.14,31.37 82.14,30.78 82.14,30.76 82.15,30.73 82.16,30.72 82.18,30.7 82.2,30.69 82.22,30.68 82.24,30.68 82.26,30.68 82.28,30.69 82.3,30.7 82.32,30.72 82.33,30.73 82.34,30.76 82.34,30.78 82.34,30.93 82.34,30.95 82.35,30.97 82.36,30.99 82.38,31 82.4,31.02 82.42,31.02 82.44,31.03 94.39,31.03 95.59,32.23 95.59,33.73 96.09,34.23 v3(97.89,34.23)
